# Altium PCB 3-as-manufactured.PcbDoc (part 9 of 16) (continued)
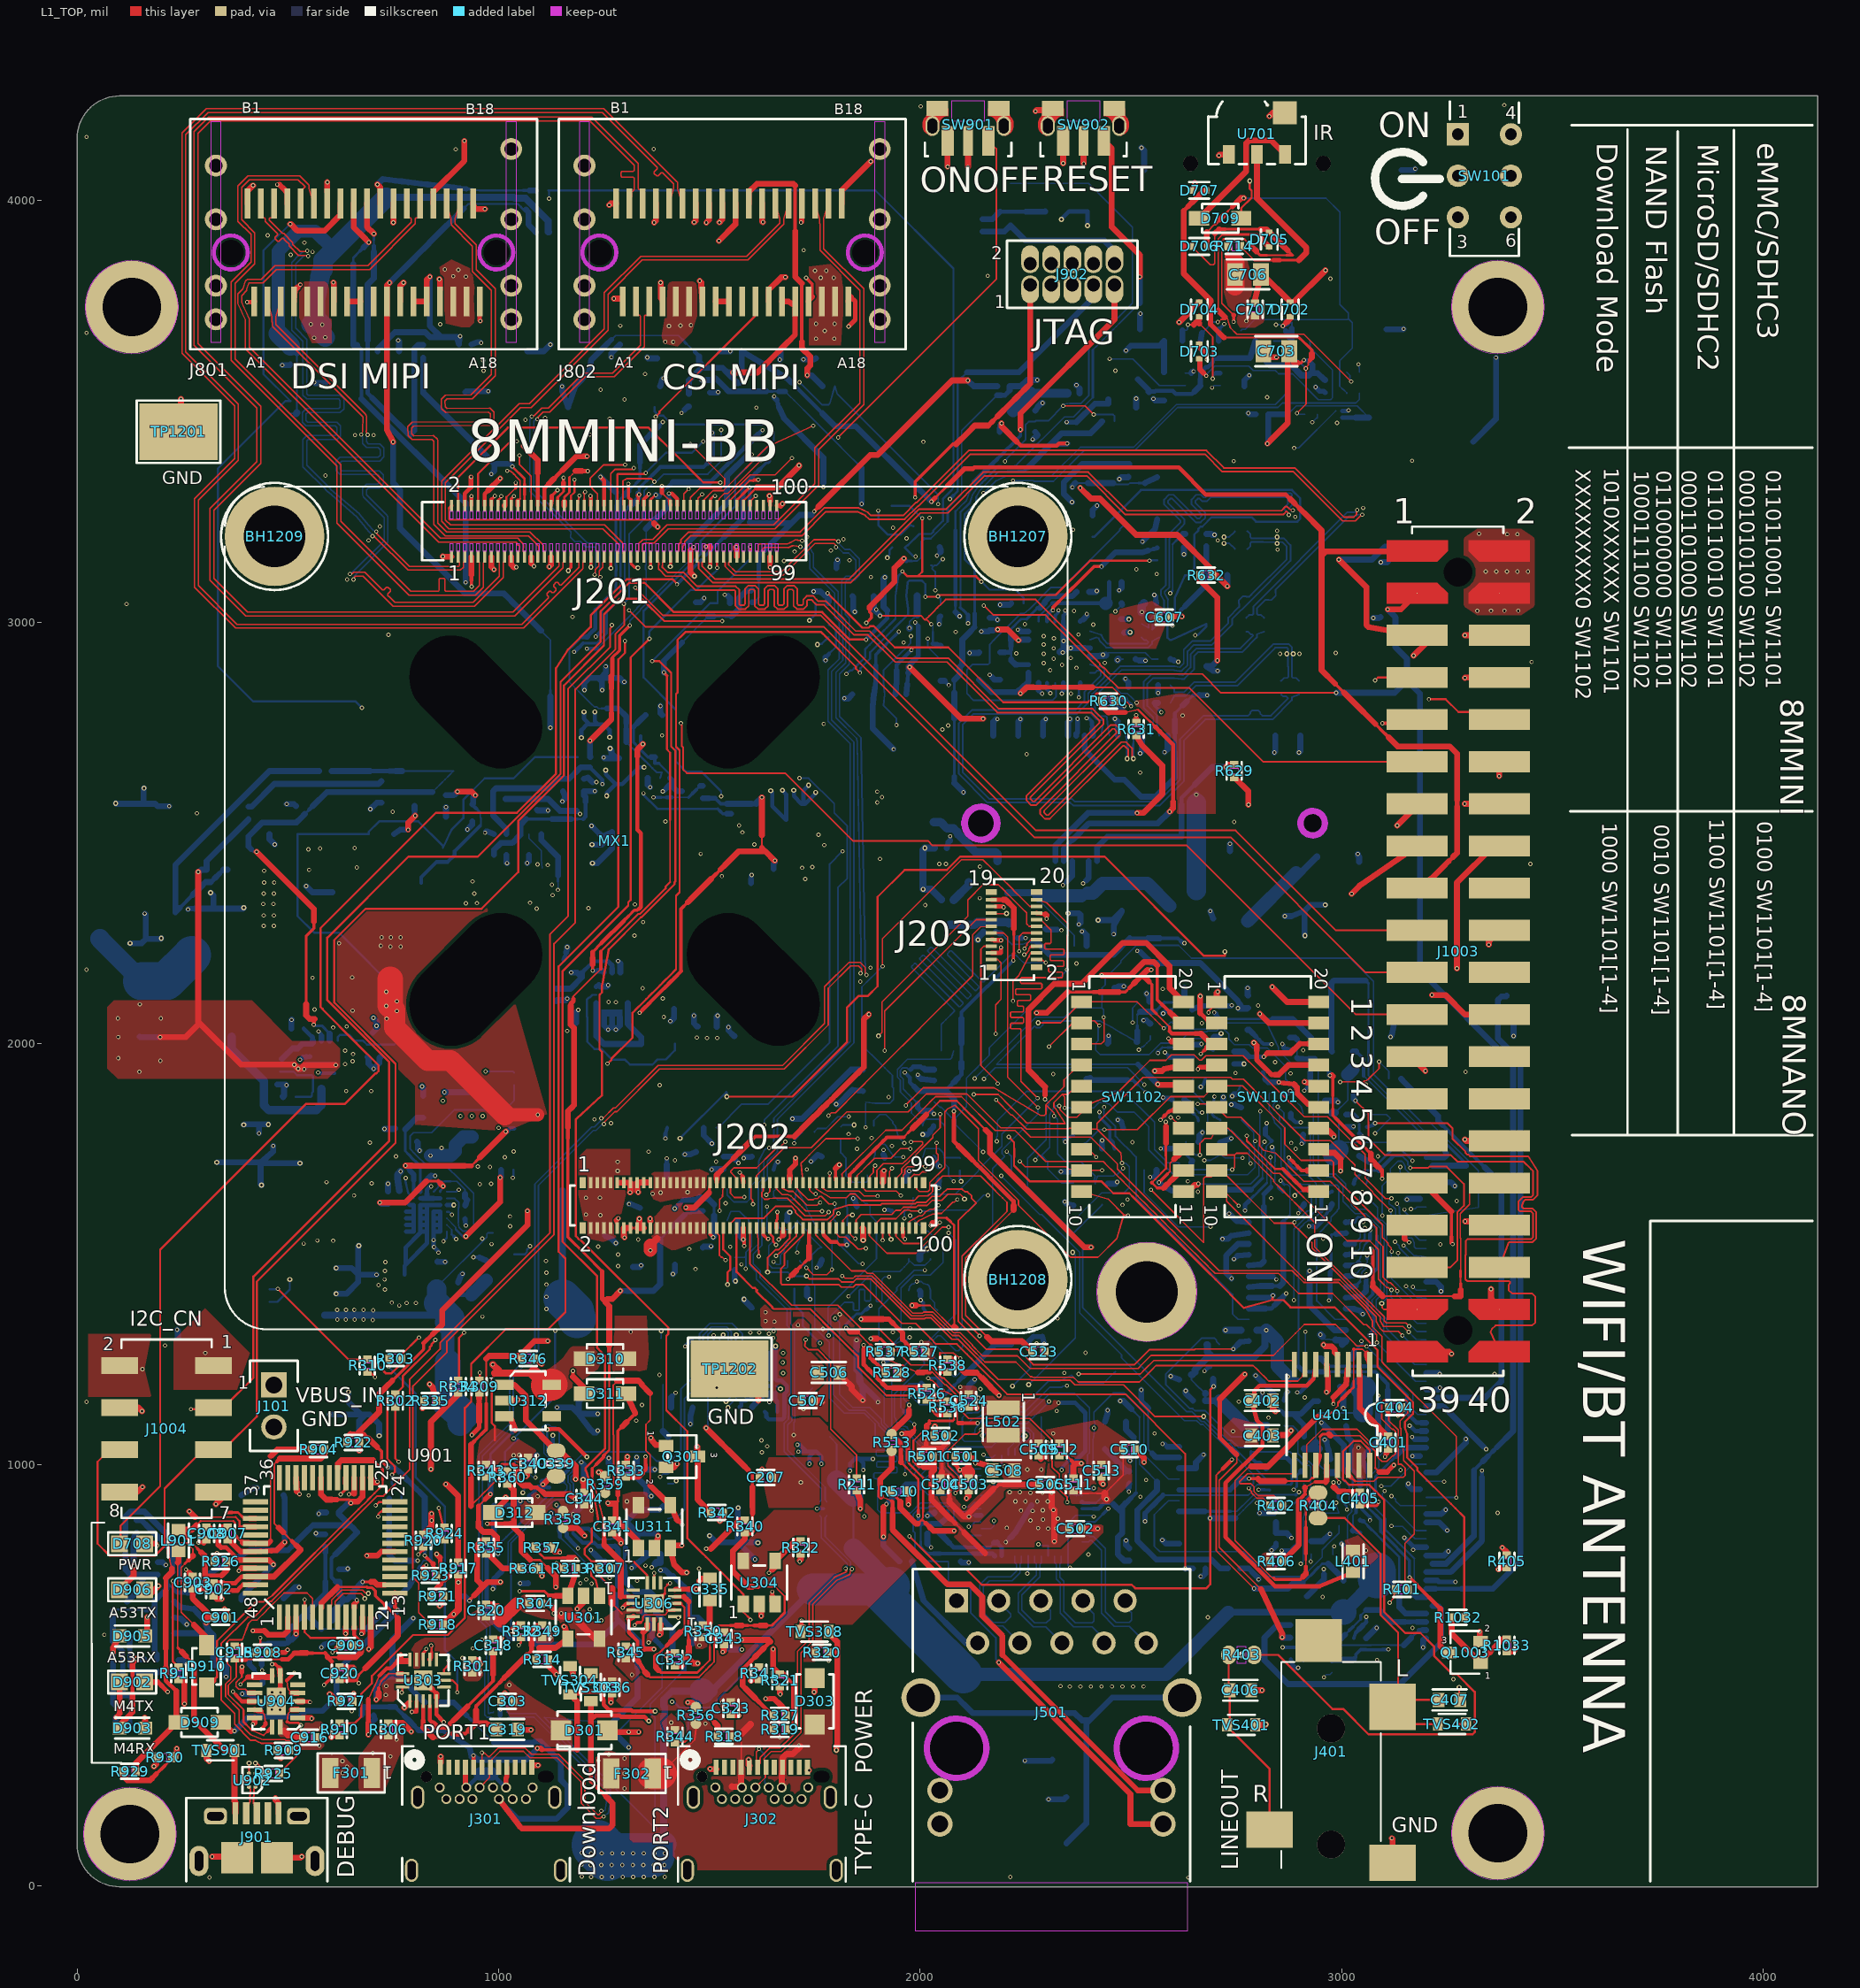
[diagram p0: L1_TOP view]
## Nets (pads, with @x,y where several pads share a name; then routed paths per layer and width w, separated by ;. In a path a pad name is that pad's centre, name@x,y a point inside that pad or via, vN(x,y) a via of type N, cw(c..) or ccw(c..) an arc to the next point about the centre after c; other vN are vias at no path point) (continued)
  L8_BOT w4.85: 2410.09,864.33 2414.85,864.33 2433.83,883.31
  L8_BOT w5.87: U501.9@2383.64,864.34 2410.09,864.33
  L8_BOT w7.92: 2433.83,883.31 2440.1,889.58 v1(2446.37,895.85)
  L8_BOT w14.05: R515.1@2114.69,1154.43 2124.93,1152.55 2131.57,1159.19 v1(2137.86,1159.19)
NetR526_1: R526.1 U508.6 | length 960.4
  L1_TOP w8.94: 1865.81,1273.74 v1(1865.81,1284.46)
  L1_TOP w9.96: 1865.81,1263.02 1865.81,1237.89 1876.82,1226.88 ; 1898.83,1204.87 1909.84,1193.86
  L1_TOP w10.99: 1865.81,1263.02 1865.81,1273.74 ; 1876.82,1226.88 1898.83,1204.87 ; 1909.84,1193.86 1920.85,1182.85 1936.16,1182.85
  L1_TOP w14.05: 1936.16,1182.85 R526.1@2012.7,1182.85
  L6_INT w3.5: 1797.63,1732.68 1787.91,1722.96 1787.91,1722.84 1729.59,1664.52 1729.59,1539.79 1772.01,1497.36 1793.23,1476.15 1803.83,1465.55
  L6_INT w4.85: 1797.63,1732.68 1797.63,1747.52 ; 1797.63,1836.59 1797.63,1826 1799.76,1823.88
  L6_INT w5.87: 1799.76,1823.88 1804.3,1819.33 1804.3,1815.68 1804.66,1815.32 1804.66,1809.15 1800.38,1804.87 1800.38,1804.15 ; 1803.83,1437.87 1803.06,1438.64 1803.06,1453.92 1803.83,1454.69 1803.83,1465.55
  L6_INT w6.9: 1797.63,1747.52 1800.38,1750.28 1800.38,1804.15 ; 1803.83,1424.04 1803.83,1437.87
  L6_INT w7.92: v1@1797.63,1853.22 v1(1800.51,1856.09)
  L6_INT w14.05: 1797.63,1836.6 v1@1797.63,1853.22 ; 1803.83,1424.04 1803.83,1385.17 1843.62,1345.38 1843.62,1339.43 1853.01,1330.04 1857.57,1330.04 1865.81,1321.81 v1(1865.81,1284.46)
  L8_BOT w14.05: v1(1800.51,1856.09) 1805.25,1856.09 1838.71,1889.55 U508.6@1864.14,1886.87
NetR527_2: R527.2 R537.1 U508.8 | length 1310.7
  L1_TOP w6.9: 1897.56,1299.76 1905.29,1299.76 1924.81,1280.24 1924.81,1279.4 1924.82,1274.36 R537.1@1930.37,1268.81
  L1_TOP w7.92: v1(1859.65,1346.07) 1861.24,1346.07 v1@1861.58,1345.72
  L1_TOP w8.94: v1(1882.45,1299.77) 1888.61,1299.76
  L1_TOP w9.96: 1958.19,1296.91 1966.72,1288.38
  L1_TOP w10.99: 1936.57,1334.91 1958.19,1313.29 ; 1966.72,1288.38 1966.72,1286.88 1982.29,1271.31 R527.2@1983.79,1271.31
  L1_TOP w12.01: 1911.77,1345.72 1925.75,1345.72 1936.57,1334.91 ; 1958.19,1296.91 1958.19,1313.29
  L1_TOP w14.05: v1@1861.58,1345.72 1911.77,1345.72 ; 1888.62,1299.76 1897.56,1299.76 ; R537.1@1930.37,1268.81 R537.1@1934.14,1272.12
  L3_INT w3.5: v1(1549.17,1517.34) 1677.41,1389.1 1683.31,1383.19 ; 1731.05,1383.19 1745.31,1378.3 1759.57,1373.41 1773.83,1368.53 1788.09,1363.64 1790.13,1363.64 1804.71,1367.92 1813.62,1367.92 1819.92,1361.62 1829.27,1350.57 1830.87,1348.97 1845.13,1344.09
  L3_INT w4.85: 1683.31,1383.19 1700.06,1383.19
  L3_INT w5.87: 1715.55,1383.19 1731.05,1383.19
  L3_INT w13.03: v1(1549.17,1517.34) v1@1550.43,1517.34
  L3_INT w14.05: 1700.06,1383.19 1715.55,1383.19 ; 1845.13,1344.09 1851.46,1341.92 ; v1(1859.65,1346.07) 1855.61,1346.07 1851.46,1341.92 ; v1(1882.45,1299.77) 1871.28,1310.95 1851.46,1341.92
  L6_INT w6.9: 1517.03,1617.74 1526.58,1627.29 1536.13,1636.84
  L6_INT w7.92: 1555.22,1655.94 1555.22,1724.25 1622.5,1791.53 1666.72,1791.53 1676.74,1801.56
  L6_INT w12.01: 1508.1,1608.2 1508.1,1608.81 1517.03,1617.74
  L6_INT w13.03: 1536.13,1636.84 1545.67,1646.39
  L6_INT w14.05: 1508.1,1608.2 1508.1,1593.33 1549.17,1552.25 v1(1549.17,1517.34) ; 1545.67,1646.39 1555.22,1655.94 ; 1676.74,1801.56 v1(1696.79,1821.6)
  L8_BOT w14.05: v1(1696.79,1821.6) 1719.58,1821.6 1836.03,1938.05 U508.8@1864.14,1938.06
NetR528_2: R528.2 R538.1 U508.1 | length 1622.3
  L1_TOP w3.5: 1850.31,1315.74 1882.44,1283.61 ; 2000.05,1378.4 2023.08,1378.4 2076.96,1324.52 2083.66,1324.52 2084.42,1325.28 ; 2046.96,1265.2 2078.37,1265.2 2084.97,1260.01 v1(2095,1253)
  L1_TOP w3.83: 2035.15,1580.29 2041,1586.14 2062.86,1586.14 ; 2080.69,1328.63 2080.69,1345.69
  L1_TOP w4.85: 2029.15,1574.29 2035.15,1580.29 ; 2046.96,1253.3 2046.96,1265.19 ; 2071.78,1577.23 2080.69,1568.31 2080.69,1345.7
  L1_TOP w5.87: 2046.96,1229.53 2046.96,1253.3
  L1_TOP w6.9: 1990.29,1378.4 2000.05,1378.4 ; 2062.86,1586.14 2071.78,1577.23
  L1_TOP w7.92: 1899.93,1236.51 R528.2@1908.68,1227.76
  L1_TOP w8.94: v1(1824.25,1325.12) 1833.63,1315.74 ; 1891.18,1245.25 1899.93,1236.51
  L1_TOP w9.96: 1882.44,1254.01 1882.44,1283.61 ; v1(2024.62,1568.25) 2029.15,1572.78
  L1_TOP w10.99: 1882.44,1254 1891.18,1245.25 ; 2046.95,1229.52 2046.95,1228.82 2054.93,1220.85 R538.1@2064.91,1220.85
  L1_TOP w12.01: R528.2@1908.68,1227.76 1909.68,1227.76 1917.42,1220.02 R528.2@1917.44,1219
  L1_TOP w14.05: 1833.63,1315.74 1850.31,1315.74 ; v1(1980.69,1378.55) 1990.14,1378.55 1990.29,1378.4 ; 2029.15,1572.78 2029.15,1574.29 ; 2080.69,1328.63 2084.04,1325.28 2084.42,1325.28
  L6_INT w3.5: 2016.74,1678.77 2016.74,1576.13 v1(2024.62,1568.25) ; 2028.37,1751.83 2028.37,1759.29 2027.95,1759.71 2027.95,1782.13 2032.45,1786.63
  L6_INT w3.83: 2032.45,1801.99 v1(2032.45,1832.7)
  L6_INT w5: 2028.37,1690.4 2028.37,1751.83
  L6_INT w5.87: 2032.45,1786.63 2032.45,1801.99
  L6_INT w7.92: v1(1882,1378) 1882,1378.56 1892.48,1389.04 1892.48,1396.5
  L6_INT w9.96: 1970.25,1360.35 1979.29,1351.32 ; 1980.54,1352.57 1979.29,1351.32 ; 1993.59,1351.32 1979.29,1351.32
  L6_INT w12.01: 1980.54,1352.57 1980.54,1365.48
  L6_INT w14.05: 1892.48,1396.5 1923.83,1396.5 1959.98,1360.35 1970.25,1360.35 ; 1980.54,1365.48 1980.54,1378.4 v1(1980.69,1378.55) ; 1993.59,1351.32 2091.91,1253 v1(2095,1253) ; 2016.74,1678.77 2028.37,1690.4
  L8_BOT w3.83: 1977.16,1938.04 1972.21,1938.04 1968.01,1942.24 1958.97,1942.24 1952.57,1935.85 1952.57,1922.8 1959.52,1915.85 1959.52,1892.32 1973.7,1878.15 1983.84,1868 1993.98,1857.86
  L8_BOT w5.87: 1840.59,1350.35 1848.77,1358.52
  L8_BOT w6.9: v1(1824.25,1325.12) 1824.25,1334 1840.59,1350.35 ; 1848.77,1358.52 1860.6,1358.52 1870.75,1368.66
  L8_BOT w9.96: 1870.75,1368.66 1872.65,1368.66 v1(1882,1378) ; 2024.92,1840.23 v1(2032.45,1832.7)
  L8_BOT w10.99: 1977.16,1938.04 1983.96,1944.83 2001.4,1944.83 2004.66,1941.57 2010.43,1941.57 2010.94,1941.05 U508.1@2010.94,1938.05
  L8_BOT w13.03: 1993.98,1857.86 1993.98,1847.75 2001.5,1840.23
  L8_BOT w14.05: 2001.5,1840.23 2024.92,1840.23 ; U508.1@2010.94,1938.05 U508.1@2033.44,1938.06
NetR612_2: R612.2 U601.8 | length 343.5
  L1_TOP w7.92: v1(2314.8,3028.27) 2315.2,3028.66 2315.2,3034.92 2347.25,3066.97 2358.13,3077.85 2369,3088.72 2412.28,3132 v1(2430,3132)
  L8_BOT w8.94: U601.8@2300.65,3002.09 2300.65,3016.53 2306.93,3022.82 2312.18,3028.06 2314.6,3028.06 v1(2314.8,3028.27) ; 2540.99,3169.69 R612.2@2554.16,3173.64
  L8_BOT w10.99: R612.2@2554.16,3173.64 R612.2@2562.56,3176.15
  L8_BOT w13.03: 2463.47,3165.74 2524.99,3165.74
  L8_BOT w14.05: v1(2430,3132) 2430,3132.27 2463.47,3165.74 ; 2524.99,3165.74 2527.81,3165.74 2540.99,3169.69
NetR613_2: R613.2 U601.9 | length 210.8
  L3_INT w7.92: v1(2328.33,3028.11) 2328.33,3038.56
  L3_INT w14.05: v1(2189.81,3041.46) 2193.83,3045.48 2321.42,3045.48 2328.33,3038.56
  L8_BOT w7.92: U601.9@2320.33,3015.8 2320.66,3015.8 2327.93,3023.07 2327.93,3027.71 v1(2328.33,3028.11)
  L8_BOT w8.94: U601.9@2320.34,3002.09 U601.9@2320.33,3015.8
  L8_BOT w14.05: v1(2189.81,3041.46) 2212.34,3041.46 R613.2@2216.03,3045.18
NetR618_2: R618.2 U601.12 | length 533.7
  L3_INT w14.05: v1(2360.35,3284.98) 2395.22,3250.12 v1(2395.22,3019.1)
  L8_BOT w9.96: v1@2395.22,3014.58 v1(2395.22,3019.1)
  L8_BOT w12.01: U601.12@2379.39,3002.09 2387.3,3006.67
  L8_BOT w14.05: v1(2360.35,3284.98) 2340.63,3304.71 2340.63,3331.69 2384.31,3375.37 R618.2@2496.21,3375.37 ; 2387.31,3006.68 v1@2395.22,3014.58
NetR619_2: R619.2 U601.19 | length 551.7
  L6_INT w7.92: 2488.96,2964.58 2491.49,2962.04 2503.78,2962.04 2511.96,2970.22 2511.96,2987.58
  L6_INT w8.94: 2482.98,2958.6 2488.96,2964.58
  L6_INT w9.96: 2449.04,2912.58 2455,2906.62 2455,2899
  L6_INT w10.99: 2449.04,2912.58 2449.04,2924.67 2449.94,2925.57
  L6_INT w12.01: 2455,2894.37 2455,2899
  L6_INT w14.05: v1(2376.4,2821.5) 2382.13,2821.5 2455,2894.37 ; 2449.95,2925.57 2460.96,2936.57 2471.97,2947.59 2482.98,2958.6 ; 2511.96,2987.58 2532.5,3008.12 v1(2593.13,3068.75)
  L8_BOT w3.5: 2598.86,3074.48 2598.86,3184.97
  L8_BOT w4.85: 2598.86,3184.97 2606.99,3193.09 ; 2615.11,3201.22 R619.2@2623.24,3209.35
  L8_BOT w5.87: 2376.4,2828.11 2376.4,2852.63 U601.19@2379.39,2855.63 ; v1(2593.13,3068.75) 2598.86,3074.48 ; 2606.99,3193.09 2615.11,3201.22
  L8_BOT w6.9: v1(2376.4,2821.5) 2376.4,2828.11
  L8_BOT w14.05: R619.2@2623.24,3209.35 R619.2@2628.92,3209.35
NetR620_2: R620.2 U601.23 | length 642.2
  L3_INT w3.83: 2440.11,2850.88 2450.79,2861.55 2461.47,2872.23 2472.14,2882.91 2482.82,2893.59 2493.5,2904.26
  L3_INT w4.85: 2364.65,2786.81 2376.05,2786.81 2386.72,2797.49 2397.4,2808.17 2408.08,2818.84 2418.76,2829.52 2429.43,2840.2 2440.11,2850.88
  L3_INT w7.92: 2502.31,2904.26 2511.12,2904.26 2532.92,2926.06 2543.81,2936.95
  L3_INT w9.96: 2493.5,2904.26 2502.31,2904.26 ; 2543.81,2936.95 2554.71,2947.85
  L3_INT w13.03: 2353.25,2786.81 2364.65,2786.81
  L3_INT w14.05: v1(2308.81,2831.25) 2353.25,2786.81 ; 2554.71,2947.85 2565.61,2958.75 2576.5,2969.64 2587.4,2980.54 v1(2598.37,2991.44) v1(2598.37,2991.44)
  L8_BOT w5.87: 2608.35,3017.83 2618.4,3027.88
  L8_BOT w6.9: 2598.3,2999.61 2598.3,3007.78 2608.35,3017.83
  L8_BOT w8.94: U601.23@2300.65,2840.56 2308.81,2832.4 v1(2308.81,2831.25) ; 2598.3,2999.61 2598.3,2991.51 v1(2598.37,2991.44)
  L8_BOT w9.96: U601.23@2300.65,2840.56 U601.23@2300.65,2855.63 ; 2618.4,3027.88 2628.45,3037.93
  L8_BOT w14.05: 2628.45,3037.93 2678.69,3088.17 R620.2@2678.68,3179.83
NetR624_2: R624.2 R625.2 U601.5 | length 671.7
  L1_TOP w14.05: v1(2183.94,2982.49) 2207.49,2982.49 v1(2233.16,2956.82)
  L6_INT w14.05: v1@2071.18,2491.77 2071.18,2540.03 2132.73,2601.59 2133.08,2601.94 2133.08,2965.89 v1(2145.22,2978.02)
  L8_BOT w7.92: R625.2@2173.25,2980.61 2182.05,2980.61 v1(2183.94,2982.49)
  L8_BOT w8.94: 2071.18,2482 v1(2071.15,2491.69)
  L8_BOT w10.99: v1(2233.16,2956.82) 2234.73,2958.39 U601.5@2241.06,2958.39
  L8_BOT w14.05: R624.2@2063.09,2464.13 2067.27,2478.09 2071.18,2481.99 ; v1(2145.22,2978.02) 2161.86,2978.02 R625.2@2164.44,2980.61 R625.2@2173.25,2980.61 ; U601.5@2241.06,2958.39 U601.5@2256.95,2958.39
NetR714_2: R714.2 U701.2 | length 459.1
  L1_TOP w3.5: R714.2@2759.8,3891.86 2792.55,3859.09
  L1_TOP w5.87: 2792.55,3859.09 2837.96,3859.09 ; 2853.1,3859.09 2898.51,3859.09
  L1_TOP w10.99: 2837.96,3859.09 2853.1,3859.09
  L1_TOP w14.05: U701.2@2799.08,4109.92 2799.08,4005.92 2916.39,3888.61 2916.39,3876.97 2898.51,3859.09
NetR908_1: R908.1 U904.2 | length 257.6
  L1_TOP w10.99: 479.95,554.96 492.93,554.96 v1(498.94,560.98)
  L1_TOP w13.03: 466.98,554.96 479.95,554.96
  L1_TOP w14.05: R908.1@453.99,554.94 466.98,554.96 ; U904.2@533.78,399.35 554.65,399.35 v1(556,398)
  L6_INT w8.94: 516.17,436.53 535.33,417.37 536.63,417.37 v1(556,398)
  L6_INT w12.01: 498.94,500.64 498.94,515.72
  L6_INT w13.03: 498.94,485.55 498.94,500.64
  L6_INT w14.05: 498.94,485.55 516.17,468.33 516.17,436.53 ; 498.94,515.72 v1(498.94,560.98)
NetR909_1: R909.1 U904.3 | length 204
  L1_TOP w3.5: 497.11,389.74 498.63,400 500.16,410.27 U904.3@508.92,419.04
  L1_TOP w5.87: 497.1,389.73 500.54,389.73 502.34,387.93 524.34,387.93 v1(530.28,381.98)
  L1_TOP w14.05: R909.1@474.23,322.52 476.21,320.55 476.21,309.62 481.59,304.23 v1(483.84,304.23) ; U904.3@508.92,419.04 U904.3@522.8,419.04
  L3_INT w14.05: v1(483.84,304.23) 483.84,334.92 530.28,381.36 v1(530.28,381.98)
NetR910_1: R910.1 U904.4 | length 156.6
  L1_TOP w9.96: U904.4@534.72,438.72 535.22,438.21 550.79,438.21 v1(552,437)
  L1_TOP w14.05: U904.4@522.8,438.73 U904.4@534.72,438.72 ; v1(602.82,353.61) 606.79,357.58 R910.1@621.7,357.57
  L3_INT w14.05: v1(552,437) 555.01,437 602.82,389.19 v1(602.82,353.61)
NetR911_1: R911.1 U904.5 | length 433.3
  L1_TOP w3.5: 496.85,487.91 498.6,477.2 500.28,466.93 U904.5@508.78,458.43
  L1_TOP w7.92: 505.13,496.61 v1(514.38,505.86)
  L1_TOP w8.94: 496.85,487.92 496.85,488.33 505.13,496.61
  L1_TOP w14.05: R911.1@240.16,490.38 253.89,489.43 v1(253.89,433.05) ; U904.5@508.78,458.43 U904.5@522.8,458.42
  L3_INT w12.01: 378.27,496.4 392.34,496.4 ; 434.56,496.4 448.63,496.4
  L3_INT w13.03: v1(253.89,433.05) 263.11,442.27 ; 392.34,496.4 406.41,496.4 ; 420.48,496.4 434.56,496.4
  L3_INT w14.05: 263.11,442.27 324.14,442.27 378.27,496.4 ; 406.41,496.4 420.48,496.4 ; 448.63,496.4 504.92,496.4 v1(514.38,505.86)
NetR926_2: R926.2 U901.2 | length 378.8
  L1_TOP w10.99: 324.94,783.88 v1(331.3,790.23) ; v1(416.34,606.35) 443.12,606.35
  L1_TOP w14.05: R926.2@324.94,770.76 324.94,783.88 ; 443.12,606.35 452.58,596.9 490.29,596.9 499.25,605.85 U901.2@499.25,638.35
  L3_INT w9.96: v1@331.3,788.79 v1(331.3,790.23)
  L3_INT w12.01: v1@331.3,788.79 331.46,788.63 343.95,782.98 ; 381.87,765.82 394.51,760.1
  L3_INT w14.05: 343.95,782.98 356.59,777.26 369.23,771.54 381.87,765.82 ; 394.51,760.1 416.34,738.26 v1(416.34,606.35)
NetR929_2: R929.2 R930.2 U904.8 | length 525
  L1_TOP w4.85: v1(386.88,479.11) 404.13,496.36
  L1_TOP w5.87: 207.87,286.81 218.09,297.03
  L1_TOP w7.92: 187.44,266.37 207.87,286.81
  L1_TOP w9.96: 218.09,297.03 R930.2@226.99,305.92
  L1_TOP w12.01: 177.22,256.16 187.44,266.37
  L1_TOP w13.03: 404.13,496.36 418.03,496.36 ; 431.93,496.36 445.83,496.36
  L1_TOP w14.05: R929.2@109.27,272.72 109.27,260.59 118.6,251.27 172.33,251.27 177.22,256.16 ; R930.2@226.99,305.92 235.8,314.74 v1(235.8,327.02) ; 418.03,496.36 431.93,496.36 ; 445.83,496.36 459.73,496.36 U904.8@461.78,499.75
  L3_INT w3.5: 343.44,341.51 348.06,356 352.69,370.48 357.32,384.96 361.94,399.45 366.57,413.93 371.19,428.41 375.82,442.9 379.25,453.64 379.42,454.71 379.42,457.57 380.46,458.62 380.46,464.25 383.66,467.45 384.26,468.05 385.77,469.56 385.77,478.01 v1(386.88,479.11)
  L3_INT w14.05: v1(235.8,327.02) 328.95,327.02 343.44,341.5
NetR1101_1: R1101.1 SW1101.18 | length 218.5
  L1_TOP w10.99: v1(2815.32,1968.43) 2824.41,1977.52 ; 2900.85,1999.29 2910.74,1999.29
  L1_TOP w12.01: 2910.74,1999.29 2920.63,1999.29
  L1_TOP w14.05: 2824.41,1977.52 2879.08,1977.52 2900.85,1999.29 ; 2920.63,1999.29 SW1101.18@2945.63,1998.79
  L8_BOT w9.96: 2780.31,1968.43 v1(2815.32,1968.43)
  L8_BOT w13.03: 2774.1,1974.64 2780.31,1968.43
  L8_BOT w14.05: R1101.1@2745.04,1980.85 2767.89,1980.85 2774.1,1974.64
NetR1103_1: R1103.1 SW1101.20 | length 750
  L1_TOP w14.05: v1(2835.17,2134.23) 2870.63,2098.78 SW1101.20@2945.63,2098.79
  L6_INT w3.5: 2746.63,2120.88 2821.82,2120.88 2828.5,2127.56 v1(2835.17,2134.23)
  L6_INT w6.9: v1(2564.18,1977.34) 2584.13,1957.4 2594.1,1947.43 2604.07,1937.46 2624.01,1917.52
  L6_INT w7.92: 2624.01,1917.52 2633.98,1907.55
  L6_INT w8.94: 2633.98,1907.55 2637.32,1907.55
  L6_INT w14.05: 2637.32,1907.55 2639.73,1909.95 2639.73,1928.67 2639.72,1994.63 2703.39,2058.3 2705.56,2058.3 2723.13,2075.87 2723.13,2097.38 2746.63,2120.88
  L8_BOT w3.5: 2611.14,1990.28 2622.12,2001.26 2633.1,2012.24 2678.03,2012.24
  L8_BOT w3.83: 2574.59,1990.28 2586.78,1990.28 ; 2598.96,1990.28 2611.14,1990.28 ; 2678.03,2012.24 2678.88,2011.4 2678.88,1991.29
  L8_BOT w5.87: v1@2564.18,1979.87 2574.59,1990.28 ; 2586.78,1990.28 2598.96,1990.28
  L8_BOT w6.9: 2678.88,1991.28 R1103.1@2687.08,1987.9
  L8_BOT w8.94: R1103.1@2687.08,1987.9 R1103.1@2695.27,1984.52
  L8_BOT w10.99: v1(2564.18,1977.34) v1@2564.18,1979.87
NetR1105_1: R1105.1 SW1101.19 | length 493.4
  L1_TOP w14.05: v1(2805.8,2070.24) 2816.53,2059.51 2827.26,2048.78 SW1101.19@2945.63,2048.79
  L6_INT w12.01: 2682.64,1863.04 2682.64,1890
  L6_INT w14.05: v1(2669.15,1836.08) 2682.64,1849.56 2682.64,1863.04 ; 2682.64,1890 2682.64,1916.96 2805.8,2040.13 v1(2805.8,2070.24)
  L8_BOT w3.5: 2639.63,1858.71 2662.26,1836.08
  L8_BOT w6.9: 2662.26,1836.08 v1(2669.15,1836.08)
  L8_BOT w14.05: R1105.1@2627.09,1866.47 2638.11,1858.71 2639.63,1858.71
NetR1107_1: R1107.1 SW1101.17 | length 793.6
  L1_TOP w12.01: 2798.54,1983.8 2798.54,1961.16 2816.23,1943.47 2825.08,1934.62 2833.93,1925.77 2842.27,1925.77
  L1_TOP w14.05: v1(2791.59,2002.07) 2798.54,1995.12 2798.54,1983.8 ; 2842.27,1925.77 2850.6,1925.77 2873.62,1948.79 SW1101.17@2945.63,1948.79
  L6_INT w3.5: 2727.4,1785.75 2727.4,1698.22 2737.77,1687.85 2748.15,1677.47 2758.52,1667.1 2768.89,1656.73 2779.26,1646.35 2789.64,1635.98 2800.01,1625.61 2810.38,1615.23 2826.36,1599.25 2829.05,1596.56 2896.43,1596.56 v1(2897.11,1597.24)
  L6_INT w5.87: 2762.8,1972.67 2772.4,1982.27
  L6_INT w6.9: 2772.4,1982.27 2782,1991.87
  L6_INT w7.92: 2782,1991.87 2791.59,2001.47 v1(2791.59,2002.07)
  L6_INT w9.96: 2762.8,1836.3 2762.8,1936.68 2762.14,1936.68 2753.36,1945.46 2753.36,1957.87 2762.14,1966.64 2762.8,1966.64 2762.8,1972.67
  L6_INT w12.01: 2727.4,1785.75 2736.25,1794.6 ; 2753.95,1812.3 2762.8,1821.15 2762.8,1836.3
  L6_INT w14.05: 2736.25,1794.6 2753.95,1812.3
  L8_BOT w7.92: v1(2897.11,1597.24) 2897.11,1597.81 2903.12,1603.82 2903.12,1609.23
  L8_BOT w13.03: 2903.12,1609.23 R1107.1@2909.58,1615.69
  L8_BOT w14.05: R1107.1@2909.58,1615.69 R1107.1@2910.92,1619.28
NetR1109_1: R1109.1 SW1101.16 | length 421.3
  L1_TOP w14.05: v1(2911.73,1909.27) 2912.19,1908.81 SW1101.16@2945.63,1898.79
  L6_INT w5.87: v1(2816.68,1766.95) 2869.07,1819.33 2879.54,1829.81 2879.54,1844.29 ; 2879.55,1871.59 2895.64,1887.68 2895.64,1889.34 v1@2911.73,1905.43
  L6_INT w14.05: 2879.54,1844.29 2879.54,1858.77 2879.55,1871.59 ; v1@2911.73,1905.43 v1(2911.73,1909.27)
  L8_BOT w3.5: 2812.31,1680.43 2812.31,1724.76 2810.13,1728.01 2810.13,1757.54 v1@2816.65,1764.06
  L8_BOT w4.85: v1@2816.65,1764.06 v1@2816.65,1766.92
  L8_BOT w6.9: 2784.49,1652.61 2792.44,1660.57 2802.38,1670.5 2812.31,1680.43
  L8_BOT w14.05: R1109.1@2710.03,1650.64 2715.37,1652.61 2784.49,1652.61
NetR1111_1: R1111.1 SW1101.15 | length 177.7
  L1_TOP w10.99: v1(2851.02,1907.97) 2851.75,1907.25 2863.52,1905.99 ; 2875.29,1904.74 2887.06,1903.48
  L1_TOP w12.01: 2863.52,1905.99 2875.29,1904.74
  L1_TOP w14.05: 2887.06,1903.48 2894.21,1896.33 2894.21,1882.15 2919.85,1856.51 SW1101.15@2945.63,1848.79
  L8_BOT w8.94: R1111.1@2813.22,1932.87 2816.94,1920.43 2818.25,1916.07
  L8_BOT w14.05: 2818.25,1916.07 2826.35,1907.97 v1(2851.02,1907.97)
NetR1113_1: R1113.1 SW1101.14 | length 150.9
  L1_TOP w9.96: v1(2981.53,1778.07) v1@2981.53,1780.64
  L1_TOP w14.05: SW1101.14@2945.63,1798.79 2967.84,1794.34 v1@2981.53,1780.64
  L6_INT w9.96: 2950.28,1761.95 2965.41,1761.95 2973.47,1770.01 v1(2981.53,1778.07)
  L6_INT w14.05: v1(2904.89,1761.95) 2950.28,1761.95
  L8_BOT w7.92: v1(2904.89,1761.95) v1@2907.97,1765.03
  L8_BOT w14.05: v1@2907.97,1765.03 2907.97,1779.72 R1113.1@2909.09,1783.46
NetR1115_1: R1115.1 SW1101.13 | length 392.6
  L1_TOP w12.01: v1(2997.5,1697.38) 2997.5,1726.11
  L1_TOP w14.05: SW1101.13@2945.63,1748.79 2956.96,1740.48 2983.13,1740.48 2997.5,1726.11
  L3_INT w3.5: 2836.44,1749.27 2837.12,1749.27 2848.95,1737.44 2848.95,1736.75 2859.29,1726.41 2871.19,1718.43 2883.09,1710.44
  L3_INT w3.83: v1(2834.86,1754.17) 2836.44,1749.27
  L3_INT w14.05: 2883.09,1710.44 2889.62,1703.91 2990.97,1703.91 v1(2997.5,1697.38)
  L8_BOT w3.5: 2840.87,1717.89 2841.38,1715.41 2841.38,1668.57
  L8_BOT w3.83: 2836.63,1744.49 2841.91,1739.21 2841.91,1718.94 2840.87,1717.89 ; 2841.38,1668.57 2851.26,1658.69
  L8_BOT w7.92: v1(2834.86,1754.17) v1@2836.63,1752.4
  L8_BOT w9.96: 2851.26,1658.69 R1115.1@2861.16,1648.8
  L8_BOT w12.01: 2836.63,1744.49 v1@2836.63,1752.4
NetR1117_1: R1117.1 SW1101.12 | length 121.9
  L1_TOP w7.92: 2885.64,1717.96 2895.23,1708.37
  L1_TOP w8.94: v1(2874.89,1729.33) 2874.89,1729.05 2885.64,1718.29 2885.64,1717.96 ; 2895.23,1708.37 2904.82,1698.78 2918.42,1698.78
  L1_TOP w14.05: 2918.42,1698.78 SW1101.12@2945.63,1698.79
  L8_BOT w6.9: v1(2874.89,1729.33) 2874.89,1718.9 2879.9,1710.81 2881.73,1706.08
  L8_BOT w7.92: 2881.73,1706.08 R1117.1@2894.33,1702.29
NetR1119_1: R1119.1 SW1102.20 | length 1232.4
  L1_TOP w7.92: v1(2296.22,1867.86) 2296.22,1877.5
  L1_TOP w12.01: 2296.22,1877.5 2296.22,1897.4
  L1_TOP w14.05: 2296.22,1897.4 2256.98,1936.64 2256.98,2080.78 2317.7,2141.5 2382.91,2141.5 2480.24,2238.83 2536.28,2238.83 2591.47,2183.64 2591.47,2131.95 SW1102.20@2624.63,2098.79
  L8_BOT w4: v1(2296.22,1867.86) 2305.79,1858.29 2305.79,1857.2 2302.46,1847.5 2298.85,1837 2298.85,1771.43 2254.76,1727.34 2254.76,1659.62 2364.29,1550.08 ; 2364.31,1550.07 R1119.1@2431.67,1617.44
NetR1121_1: R1121.1 SW1102.19 | length 697
  L1_TOP w6.9: 2562.47,2117.56 2562.47,2144.65 ; 2562.47,2158.2 2562.47,2185.3
  L1_TOP w7.92: 2562.47,2117.56 2562.47,2104.01 2572.52,2093.95 ; 2562.47,2144.65 2562.47,2158.2 ; 2582.58,2083.9 2592.64,2073.84
  L1_TOP w8.94: 2572.52,2093.95 2582.58,2083.9
  L1_TOP w14.05: v1(2430.46,2161.7) 2498.91,2161.7 2531.06,2193.85 2553.91,2193.85 2562.47,2185.3 ; 2592.64,2073.84 2602.7,2063.78 SW1102.19@2624.63,2048.79
  L6_INT w5.87: 2459.51,1828.24 2459.51,2010.89 2459.51,2117.43
  L6_INT w9.96: 2449.83,2142.34 2459.51,2132.66 2459.51,2117.43
  L6_INT w14.05: v1(2430.46,2161.7) 2440.14,2152.02 2449.83,2142.34 ; 2459.51,1828.24 v1(2468.98,1818.76)
  L8_BOT w13.03: v1(2468.98,1818.76) v1@2471.85,1818.76 ; 2477.54,1813.08 R1121.1@2481.45,1800.06
  L8_BOT w14.05: v1@2471.85,1818.76 2477.54,1813.08
NetR1123_1: R1123.1 SW1102.18 | length 290.7
  L1_TOP w8.94: v1(2589,2012) 2589.21,2012 2595.98,2005.23
  L1_TOP w14.05: 2595.99,2005.23 SW1102.18@2608.53,2005.23
  L3_INT w3.83: 2658.19,1986.72 2672.76,1986.72
  L3_INT w6.9: 2672.76,1986.72 2711.21,1948.27
  L3_INT w7.92: 2643.62,1986.72 2658.19,1986.72 ; 2730.44,1929.04 2740.06,1919.42 2740.06,1904.65
  L3_INT w8.94: 2711.21,1948.27 2720.83,1938.65
  L3_INT w14.05: v1(2589,2012) 2614.28,1986.72 2643.62,1986.72 ; 2720.83,1938.65 2730.44,1929.04 ; v1(2740.06,1875.11) 2740.06,1904.65
  L8_BOT w5.87: 2750.67,1879.43 2754.26,1887.4 R1123.1@2759.78,1899.68
  L8_BOT w14.05: v1(2740.06,1875.11) 2744.37,1879.43 2750.67,1879.43
NetR1125_1: R1125.1 SW1102.17 | length 605.4
  L1_TOP w14.05: v1(2556.5,1934.83) 2573.6,1934.83 2578.28,1939.51 SW1102.17@2624.63,1948.79
  L3_INT w3.83: 2564.71,2059.62 2579.5,2059.62 ; 2653.42,2059.62 2682.99,2059.62
  L3_INT w4.85: 2579.5,2059.62 2594.28,2059.62
  L3_INT w7.92: 2697.78,2064.06 v1(2697.78,2073.68)
  L3_INT w8.94: 2682.99,2059.62 2693.35,2059.62
  L3_INT w13.03: v1(2556.5,1934.83) v1@2556.5,1936.56
  L3_INT w14.05: v1@2556.5,1936.56 2547.81,1945.25 2547.81,2042.72 2564.71,2059.62 ; 2594.28,2059.62 2653.42,2059.62 ; 2693.35,2059.62 2697.78,2064.06
  L8_BOT w4.85: 2706.89,2064.58 2713.03,2058.44 2743.96,2058.44 2836.73,2058.44
  L8_BOT w7.92: v1(2697.78,2073.68) v1@2700.74,2070.73
  L8_BOT w8.94: v1@2700.75,2070.73 2706.89,2064.58
  L8_BOT w14.05: 2836.73,2058.44 2883.12,2058.44 R1125.1@2927.52,2014.04
NetR1127_1: R1127.1 SW1102.16 | length 1078.3
  L1_TOP w14.05: v1(2563.77,1903.46) 2565.45,1901.78 2599.65,1901.78 SW1102.16@2624.63,1898.79
  L8_BOT w3.5: 2513.46,2004.3 2501.42,2011.21 2489.37,2018.13 2477.33,2025.05 2465.29,2031.97 2453.25,2038.89 2441.2,2045.8 2427.99,2053.39 2291.69,2053.39 2291.69,2044.46 2284.81,2037.57 2275.07,2037.57 2271.42,2041.22 2263.05,2032.85 2242.51,2012.31 2232.24,2002.04 2221.97,1991.77 2211.69,1981.5 2191.15,1960.95 2180.88,1950.68 2440.27,1950.67 2516.56,1950.67
  L8_BOT w3.83: 2515.24,2042.91 2515.24,2068.64
  L8_BOT w5.87: 2515.24,2068.64 2521.89,2075.3
  L8_BOT w6.9: 2515.24,2030.04 2515.24,2042.91 ; 2579.35,2097.32 2615.15,2097.32
  L8_BOT w7.92: 2557.33,2075.3 2564.47,2082.45 2571.91,2089.88 2579.35,2097.32
  L8_BOT w12.01: 2516.56,1950.67 2524.96,1942.26
  L8_BOT w14.05: 2513.47,2004.29 2515.24,2004.29 2515.24,2030.04 ; 2521.89,2075.3 2557.33,2075.3 ; 2524.96,1942.26 2533.37,1933.85 2541.78,1925.45 2550.19,1917.04 v1(2563.77,1903.46) ; 2615.15,2097.32 2627.09,2109.25 R1127.1@2627.09,2132.09
NetR1129_1: R1129.1 SW1102.15 | length 176.8
  L1_TOP w5.87: v1(2570.2,1818.88) 2579.86,1828.54
  L1_TOP w6.9: 2579.87,1828.54 2589.7,1838.38
  L1_TOP w9.96: 2589.7,1838.38 SW1102.15@2601.39,1841.86
  L1_TOP w14.05: SW1102.15@2601.39,1841.86 2613.02,1845.32 SW1102.15@2624.63,1848.79
  L8_BOT w4.85: 2649.24,1833.33 R1129.1@2657.83,1824.73
  L8_BOT w5.87: v1@2570.72,1818.88 2593.76,1841.92
  L8_BOT w6.9: R1129.1@2657.83,1824.73 R1129.1@2660.26,1816.66
  L8_BOT w7.92: v1(2570.2,1818.88) v1@2570.72,1818.88
  L8_BOT w8.94: 2593.76,1841.92 2640.64,1841.92 2649.24,1833.33
NetR1131_1: R1131.1 SW1102.14 | length 278.6
  L1_TOP w3.5: v1@2596.16,1824.63 SW1102.14@2607.01,1813.78
  L1_TOP w3.83: SW1102.14@2607.01,1813.78 SW1102.14@2615.83,1806.28
  L1_TOP w7.92: v1(2594.09,1824.63) v1@2596.16,1824.63
  L1_TOP w14.05: SW1102.14@2615.83,1806.28 SW1102.14@2624.63,1798.79
  L6_INT w12.01: 2584.24,1834.47 v1(2594.09,1824.63)
  L6_INT w14.05: v1(2534.67,1883.71) 2535,1883.71 2584.24,1834.47
  L8_BOT w3.83: 2515.12,1903.26 v1(2534.67,1883.71)
  L8_BOT w8.94: 2491.55,1913.03 2505.35,1913.03 2515.12,1903.26
  L8_BOT w14.05: R1131.1@2394.85,1916.27 2403.86,1917.94 2408.78,1913.03 2491.55,1913.03
NetR1133_1: R1133.1 SW1102.13 | length 139.8
  L1_TOP w3.83: 2592.8,1696.41 2592.8,1715.89 2601.74,1724.83
  L1_TOP w4.85: 2586.4,1690.01 2592.8,1696.41
  L1_TOP w7.92: v1(2566.58,1670.2) 2586.4,1690.01
  L1_TOP w13.03: 2601.74,1724.83 2610.68,1733.78
  L1_TOP w14.05: 2610.68,1733.78 2612.14,1733.78 SW1102.13@2624.63,1748.79
  L8_BOT w13.03: v1(2566.58,1670.2) v1@2567.11,1670.2
  L8_BOT w14.05: v1@2567.11,1670.2 2573.03,1664.27 R1133.1@2597.56,1650.64
NetR1135_1: R1135.1 SW1101.11 | length 883.7
  L1_TOP w3.83: 2785.8,1758.24 2808.08,1735.97 2819.22,1724.83 2830.36,1713.69
  L1_TOP w4.85: v1(2775,1781) 2775,1769.04 2785.8,1758.24 ; 2830.36,1713.69 2841.5,1702.55 2860.38,1702.55
  L1_TOP w8.94: 2860.38,1702.55 2870.23,1692.7 2880.08,1682.85 2889.92,1673 2899.78,1663.15 2909.62,1653.3
  L1_TOP w12.01: 2909.62,1653.3 2920.63,1653.3
  L1_TOP w14.05: 2920.63,1653.3 SW1101.11@2945.63,1648.79
  L6_INT w3.5: v1(2739.51,2090.6) 2750.61,2101.7 2761.7,2112.79 2897.28,2112.79 2899.33,2110.74 2899.33,2107.84 2805.36,2013.87 2805.36,2013.36
  L6_INT w3.83: 2777.03,1971.12 2805.36,1999.45
  L6_INT w5: 2805.36,1999.45 2805.36,2013.36
  L6_INT w5.87: 2777.03,1815.08 2777.03,1846.28 ; 2777.03,1971.12 2777.03,1961.28 2779.19,1959.12 2780.63,1959.12
  L6_INT w6.9: v1(2775,1781) 2775,1797.44 2777.03,1799.47
  L6_INT w7.92: 2777.03,1799.47 2777.03,1815.08 ; 2777.03,1846.28 2777.03,1940.6 2782.3,1945.88 2782.3,1957.45 2780.63,1959.12
  L8_BOT w10.99: v1@2737.95,2089.04 v1(2739.51,2090.6)
  L8_BOT w12.01: 2679.27,2089.04 2708.61,2089.04
  L8_BOT w13.03: 2664.6,2089.04 2679.27,2089.04 ; 2723.28,2089.04 v1@2737.95,2089.04
  L8_BOT w14.05: R1135.1@2645.5,2080.44 2664.6,2089.04 ; 2708.61,2089.04 2723.28,2089.04
NetR1137_1: R1137.1 SW1102.12 | length 1303.3
  L1_TOP w4.85: 2549.57,1669.84 2557.94,1678.2 2583.04,1703.31 2583.04,1733.17
  L1_TOP w5.87: 2549.57,1669.83 2556.42,1662.98 2562.51,1656.89 ; 2583.04,1733.17 2583.04,1763.03
  L1_TOP w7.92: 2562.51,1656.89 2577.29,1656.89 ; 2583.04,1803.36 v1(2583.04,1813.83)
  L1_TOP w13.03: 2586.08,1665.68 2597.11,1676.71
  L1_TOP w14.05: 2577.29,1656.89 2586.08,1665.68 ; 2583.04,1763.03 2583.04,1803.36 ; 2597.11,1676.71 2619.17,1698.78 SW1102.12@2624.63,1698.79
  L3_INT w3.5: 2790.97,1811.26 2798.44,1814.4 2805.9,1817.55 2818.41,1822.81 2829.53,1821.51 2840.65,1820.21 2840.97,1819.9 2885.46,1819.9
  L3_INT w5.87: 2600.38,1811.26 2703.76,1811.26 2790.97,1811.26
  L3_INT w6.9: v1(2583.04,1813.83) 2585.61,1811.26 2600.38,1811.26
  L3_INT w14.05: v1(2833.82,1998.41) 2852.84,1979.4 2864.48,1979.4 3016.21,2131.13 3016.22,1862.8 2988.02,1834.6 2900.17,1834.6 2885.46,1819.9
  L8_BOT w7.92: 2823.94,1998.78 2833.46,1998.78 v1(2833.82,1998.41)
  L8_BOT w8.94: 2796.64,2016.56 2804.59,2008.61 2814.43,1998.78 2823.94,1998.78
  L8_BOT w12.01: 2788.68,2024.52 2796.64,2016.56
  L8_BOT w14.05: R1137.1@2776.38,2032.48 2780.73,2032.48 2788.68,2024.52